# Altium PCB Arduino_pcb_PCB.PcbDoc (part 2 of 2)
Units mm, origin at the board's own origin, x right, y up, seen from the top; angles counter-clockwise.
Board outline 68.58 x 53.34 mm, 2 copper layers (L1, L2), stack 1.671 mm thick; 106 components, 71 nets, 323 pads, 77 vias.
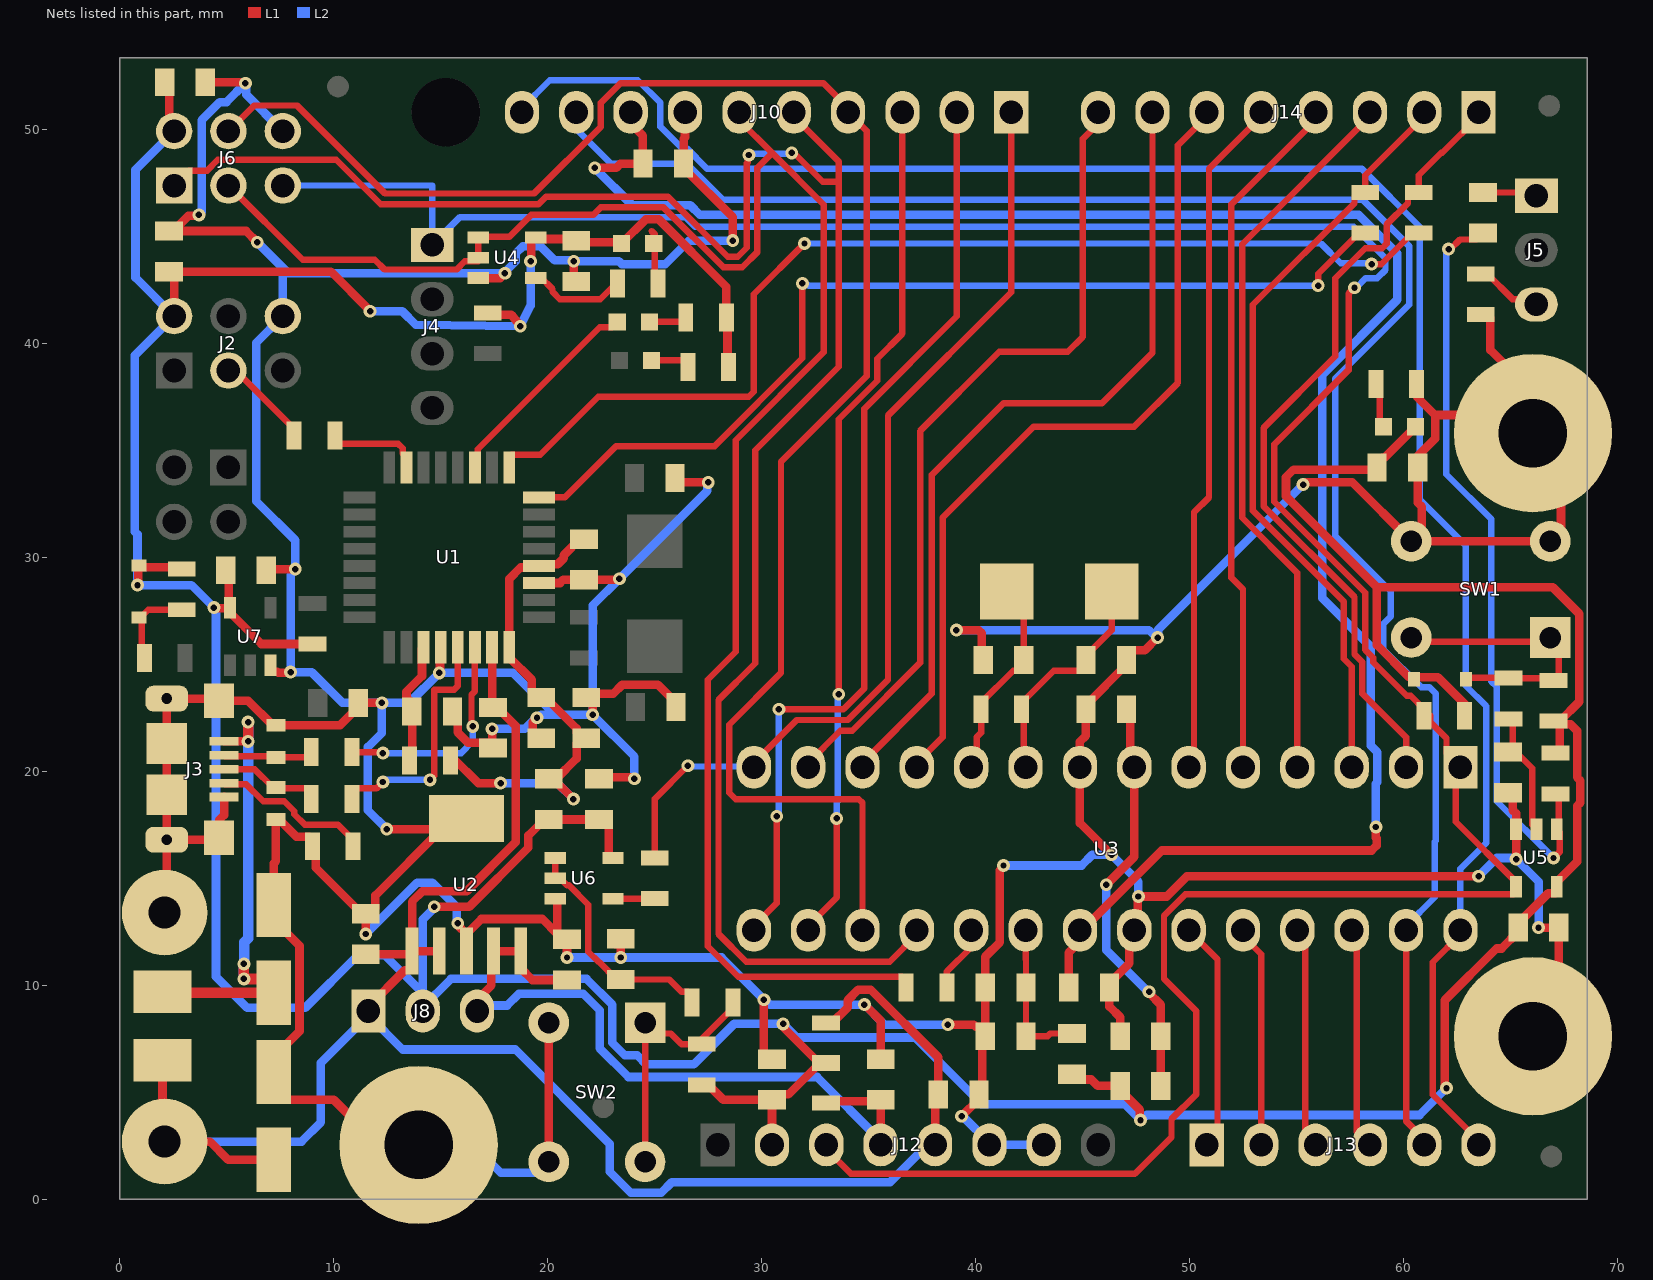
[diagram p2: the nets of this part, all layers, seen from the top]

## Via types
v1: diameter 0.6, hole 0.3, L1 to L2, tented both sides, 77 vias

## Nets (pads, with @x,y where several pads share a name; then routed paths per layer and width w, separated by ;. In a path a pad name is that pad's centre, name@x,y a point inside that pad or via, vN(x,y) a via of type N, cw(c..) or ccw(c..) an arc to the next point about the centre after c; other vN are vias at no path point) (continued)
16U2_RXD: R12.1 U1.8 | length 46.2
  L1 w0.3: U1.8@19.6,32.8 20.8,32.8 23.2,35.2 27.8,35.2 31.9,39.3 v1(31.9,42.8) ; v1(56,42.7) 56,43.25 57.9,45.15 R12.1@58.2,45.15
  L2 w0.3: v1(31.9,42.8) 31.957,42.743 32.157,42.743 32.2,42.7 v1(56,42.7)
16U2_SCLK: J2.3 R6.2 | length 4.5
  L1 w0.3: J2.3@5.08,38.73 5.42,38.73 8.15,36 R6.2@8.15,35.7
16U2_SCLK_R: R6.1 U1.15 | length 4.5
  L1 w0.3: R6.1@10.05,35.7 10.05,35.5 10.25,35.3 13.02,35.3 13.225,35.095 13.225,34.85 13.4,34.675 U1.15@13.4,34.2
16U2_TX_LED: D1.1 U1.11 | length 9.9
  L1 w0.3: U1.11@16.6,34.2 16.725,34.325 16.725,35.045 22.43,40.75 23,40.75 D1.1@23.25,41
16U2_TXD: R11.1 U1.9 | length 50.8
  L1 w0.3: U1.9@18.2,34.2 18.2,34.675 18.325,34.8 19.657,34.8 22.357,37.5 29.393,37.5 29.63,37.737 29.63,42.296 v1(32,44.666) ; v1(58.5,43.7) 58.952,43.7 59.7,44.448 59.7,44.45 60.4,45.15 R11.1@60.7,45.15
  L2 w0.3: v1(32,44.666) 56.134,44.666 57.06,43.74 58.46,43.74 v1(58.5,43.7)
328P_16MHZ_XTAL1: C25.2 R18.2 U3.9 Y2.2 | length 10.7
  L1 w0.3: U3.9@42.33,20.193 42.24,20.283 42.24,22.81 R18.2@42.15,22.9 42.15,23.2 43.65,24.7 44.85,24.7 45.15,25 C25.2@45.15,25.2 45.15,25.4 46.35,26.6 Y2.2@46.35,28.4
328P_16MHZ_XTAL2: C26.2 R18.1 U3.10 Y2.1 | length 9.7
  L1 w0.3: U3.10@39.79,20.193 40.039,20.442 40.039,21.589 40.25,21.8 R18.1@40.25,22.9 40.25,23.2 41.75,24.7 41.95,24.7 42.25,25 C26.2@42.25,25.2 42.25,27.6 Y2.1@41.45,28.4
328P_Auto_RESETn: C11.1 R21.1 U5.1 | length 36
  L1 w0.3: v1(62.1,44.4) 62.181,44.4 62.631,44.85 63.4,44.85 C11.1@63.7,45.15 ; v1(67,15.95) 67.3,16.25 U5.1@67.3,17.15 ; R21.1@67.05,19.05 67.05,18.8 R21.1@67.15,18.9 ; U5.1@67.15,17.3 67.25,17.3 67.25,18.8 R21.1@67.15,18.9 ; R21.1@67.2,18.95 R21.1@67.1,18.95 R21.1@67.15,18.9
  L2 w0.3: v1(62.1,44.4) 61.99,44.29 61.99,33.882 64.1,31.772 64.1,24.2 64.35,23.95 64.35,18.6 v1@66.95,16
328P_BUFF_RESETn: C31.2 R26.2 U5.2 | length 5.7
  L1 w0.3: R26.2@65.1,22.45 65.1,20.85 65.3,20.85 66,20.15 66,17.5 U5.2@66.2,17.3
328P_RESETn: J4.1 J6.5 J12.3 R17.1 U3.1 U5.4 | length 138.6
  L1 w0.3: J12.3@33.02,2.54 33.02,2.34 34.17,1.19 47.44,1.19 49.15,2.9 49.15,3.75 50.3,4.9 50.3,8.8 48.8,10.3 48.8,13.249 49.151,13.6 49.801,14.25 65.125,14.25 65.25,14.375 65.25,14.825 62.435,17.64 U3.1@62.435,20.408 ; v1(57.7,42.6) 57.424,42.324 57.424,38.75 53.95,35.276 53.95,32.599 58.2,28.349 58.2,25.672 58.57,25.302 58.57,25.094 60.139,23.524 60.326,23.524 60.95,22.9 R17.1@60.95,22.6 ; R17.1@61.25,22.6 61.25,22.3 62,21.55 62,20.843 U3.1@62.435,20.408 ; U3.1@62.65,20.193 U3.1@62.435,20.408
  L2 w0.3: J6.5@7.62,47.374 14.6,47.374 J4.1@14.6,44.6 15.9,45.9 26.432,45.9 26.882,45.45 57.669,45.45 59.15,43.969 59.15,43.431 58.769,43.05 58.231,43.05 57.781,42.6 v1(57.7,42.6)
+3.3V_16U2_UCAP: C7.2 R4.1 U1.27 | length 5.4
  L1 w0.4: R4.1@13.7,20.9 13.675,20.925 13.675,23.175 13.4,23.45 13.4,23.725 14.125,24.45 14.125,25.725 U1.27@14.2,25.8
+3V3: C13.2 C17.2 J8.3 J12.4 R15.2 U2.4 U2.5 | length 35.5
  L1 w0.4: J8.3@16.7,8.8 16.7,9.325 17.37,9.995 17.37,11.5 U2.4@17.47,11.6 U2.5@18.74,11.6 18.74,10.8 19.29,10.25 C13.2@20.9,10.25 ; R15.2@33,4.5 33.075,4.575 C17.2@35.485,4.575 ; J12.4@35.56,2.54 35.56,4.5 C17.2@35.485,4.575 ; C17.2@35.56,4.65 C17.2@35.485,4.575
  L2 w0.4: J8.3@16.7,8.8 16.958,9.058 18.1,9.058 18.642,9.6 21.666,9.6 22.426,8.84 22.426,7.06 23.77,5.716 32.584,5.716 35.56,2.74 J12.4@35.56,2.54
+5/3.3V_16U2: C1.2 C2.2 C3.2 FB1.2 R4.2 U1.4 U1.32 | length 24.4
  L1 w0.4: R4.2@15.6,20.9 15.6,20.6 16.75,19.45 v1(17.8,19.45) ; FB1.2@20.05,19.65 20.4,19.65 21.35,20.6 21.35,21.3 C2.2@21.6,21.55 ; FB1.2@20.25,19.65 v1(21.2,18.7) ; C3.2@21.7,30.85 21.5,30.85 20.75,30.1 20.75,29.959 20.466,29.675 19.675,29.675 U1.4@19.6,29.6 19.525,29.525 18.734,29.525 18.2,28.991 U1.32@18.2,25.8 18.2,25.325 19.25,24.275 19.25,23.7 19.5,23.45 C1.2@19.7,23.45 19.9,23.45 21.35,22 21.35,21.8 C2.2@21.6,21.55 ; C2.2@21.8,21.55 C2.2@21.6,21.55
  L2 w0.4: v1(17.8,19.45) 20.45,19.45 v1(21.2,18.7)
+5/3.3V_328P: C19.2 C20.2 FB2.2 U3.7 | length 19.4
  L1 w0.4: v1(46.1,14.7) 47.41,16.01 U3.7@47.41,20.193 47.23,20.373 47.23,22.72 C20.2@47.05,22.9 ; v1(48.1,9.7) 48.1,9.646 48.65,9.096 C19.2@48.65,7.62 FB2.2@48.65,5.3
  L2 w0.4: v1(46.1,14.7) 46.1,11.65 48.05,9.7 v1(48.1,9.7)
+5V: C5.1 C6.2 C12.2 C15.2 J8.1 J9.1 J12.5 L1.2 R14.1 U1.31 U2.1 U2.2 | length 92
  L1 w0.4: L1.2@2,6.5 2,4.647 2.1,4.547 J9.1@2.1,2.7 4.216,2.7 5.066,1.85 C5.1@7.2,1.85 ; C12.2@11.5,11.45 13.56,11.45 U2.1@13.66,11.55 ; J8.1@11.62,8.8 11.62,9 13.32,10.7 13.56,10.7 13.66,10.8 U2.1@13.66,11.55 ; U2.2@14.93,11.6 U2.1@13.66,11.6 ; U1.31@17.4,25.8 17.4,23.028 C6.2@17.44,22.988 17.64,22.988 18.5,22.128 18.5,16.684 16.216,14.4 14.15,14.4 13.66,13.91 U2.1@13.66,11.6 ; R14.1@33,8.25 33.3,8.25 34.016,8.966 34.016,9.306 34.51,9.8 35.09,9.8 38.25,6.64 C15.2@38.25,4.9 38.1,4.75 J12.5@38.1,2.54 ; U2.1@13.66,11.55 U2.1@13.66,11.6
  L2 w0.4: J9.1@2.1,2.7 8.5,2.7 9.4,3.6 9.4,6.38 J8.1@11.62,8.6 ; J8.1@11.62,8.8 J8.1@11.62,8.6 ; J12.5@38.1,2.54 38.1,2.9 36,0.8 25.8,0.8 25.3,0.3 23.891,0.3 22.891,1.3 22.891,2.6 18.491,7 13.22,7 J8.1@11.62,8.6
+5V/3V3: C8.2 C14.2 C16.2 C18.2 C27.2 C28.2 C29.2 C30.2 D3.2 D4.2 D5.1 D6.1 FB1.1 FB2.1 FB3.1 J2.2 J6.2 J8.2 J12.2 R1.2 R2.2 R3.2 R5.1 R14.2 R15.1 R17.2 R21.2 R22.2 R23.2 R24.2 U4.5 U5.5 U6.5 U7.5 | length 257.3
  L1 w0.4: v1(0.83,28.7) 0.865,28.735 0.865,29.584 D6.1@0.9,29.619 0.979,29.54 2.81,29.54 R24.2@2.9,29.45 ; C14.2@2.1,52.2 2.32,51.98 2.32,50.134 J6.2@2.54,49.914 ; J2.2@2.54,41.27 2.54,43.11 C8.2@2.3,43.35 9.87,43.35 11.7,41.52 v1(11.7,41.5) ; v1(4.4,27.65) 4.438,27.612 5.112,27.612 U7.5@5.15,27.65 ; C30.2@5.05,29.1 5.1,29.05 5.1,27.7 U7.5@5.15,27.65 ; R5.1@9.004,25.95 6.625,25.95 5.15,27.425 U7.5@5.15,27.65 ; v1(14.7,13.67) 16.334,13.67 19.1,16.436 19.1,17 19.85,17.75 FB1.1@20.05,17.75 20.05,17.7 20.1,17.75 C29.2@22.4,17.75 22.6,17.75 22.85,17.5 22.85,16.025 22.925,15.95 U6.5@23.05,15.95 ; R1.2@17.2,41.42 17.282,41.338 18.3,41.338 v1(18.72,40.8) ; v1(19.2,43.838) 19.238,43.876 19.238,44.875 19.313,44.95 U4.5@19.45,44.95 19.525,44.875 21.249,44.875 C27.2@21.336,44.788 21.397,44.727 23.391,44.727 D3.2@23.452,44.666 24.586,45.8 25.184,45.8 28.35,42.634 R2.2@28.35,41.2 28.4,41.15 28.4,38.95 R3.2@28.45,38.9 ; R23.2@27.2,5.35 27.5,5.35 28.2,4.65 C16.2@30.48,4.65 ; J12.2@30.48,2.54 C16.2@30.48,4.65 ; v1(31,8.2) 31.038,8.162 31.038,8.012 R14.2@32.7,6.35 ; R14.2@33,6.35 R14.2@32.7,6.35 ; FB3.1@44.5,5.85 44.75,5.6 45.4,5.6 45.7,5.3 FB2.1@46.75,5.3 46.75,5.1 47.662,4.188 47.662,3.738 v1(47.7,3.7) ; D4.2@60.55,36.1 59.1,34.65 59,34.65 58.75,34.4 C18.2@58.75,34.2 58.65,34.1 54.851,34.1 54.5,33.749 54.5,32.85 58.75,28.6 ; v1(62,5.2) 61.922,5.278 61.922,9.301 64.342,11.72 64.57,11.72 65.35,12.5 C28.2@65.35,12.7 65.35,12.9 66.75,14.3 67.075,14.3 67.15,14.375 U5.5@67.15,14.6 67.15,14.825 68.1,15.775 68.1,18.384 68.25,18.534 68.25,19.566 68.1,19.716 68.1,21.9 67.8,22.2 R22.2@67.3,22.2 ; R17.2@62.85,22.7 62.85,23.15 61.6,24.4 60.25,24.4 58.75,25.9 58.75,28.6 ; R22.2@67,22.35 R22.2@67.3,22.35 ; R21.2@67.3,20.95 R22.2@67.3,22.2 ; C16.2@30.48,4.65 30.73,4.9 31.25,4.9 R14.2@32.7,6.35 ; 58.75,28.6 66.966,28.6 68.2,27.366 68.2,23.25 R22.2@67.3,22.35 ; R22.2@67.3,22.2 R22.2@67.3,22.35
  L2 w0.4: J6.2@2.54,49.914 0.737,48.111 0.737,43.073 J2.2@2.54,41.27 0.7,39.43 0.7,31.2 0.83,31.07 v1(0.83,28.7) 3.35,28.7 v1(4.4,27.65) 4.4,27.596 4.5,27.496 4.5,10.4 5.95,8.95 8.668,8.95 11.118,11.4 12.4,11.4 J8.2@14.16,9.64 ; v1(11.7,41.5) 13.206,41.5 13.846,40.86 v1(18.72,40.8) 19.2,41.76 v1(19.2,43.838) ; J8.2@14.16,8.8 J8.2@14.16,8.986 ; v1(14.7,13.67) 14.7,13.616 14.16,13.076 J8.2@14.16,9.64 ; v1(62,5.2) 60.74,3.94 47.994,3.94 47.754,3.7 v1(47.7,3.7) 46.95,4.45 40.27,4.45 37.158,7.562 31.638,7.562 v1(31,8.2) 28.715,8.2 26.831,6.316 24.6,6.316 24.191,6.725 23.609,6.725 23.026,7.309 23.026,9.088 21.814,10.3 15.474,10.3 J8.2@14.16,8.986 ; J8.2@14.16,8.986 J8.2@14.16,9.64
+5V_USB: C4.1 J3.1 L1.1 | length 21.8
  L1 w0.4: L1.1@2,9.7 L1.1@2.05,9.65 ; J3.1@4.875,21.4 v1(6,21.4)
  L1 w0.5: L1.1@2.05,9.65 C4.1@7.2,9.65 7.2,9.75 6.65,10.3 v1(5.8,10.3) v1(5.8,11) ; v1(6,21.4) v1(6,22.3)
  L2 w0.5: v1(5.8,10.3) v1(5.8,11) 5.819,11.019 5.819,12.019 6,12.2 v1(6,21.4) v1(6,22.3)
+AREF: C21.2 C24.2 J10.8 U3.21 | length 92.8
  L1 w0.4: v1(22.2,48.2) 23.2,48.2 23.4,48.4 C21.2@24.45,48.4 24.45,49.701 23.876,50.275 J10.8@23.876,50.8 ; C24.2@44.35,9.9 44.35,11.528 44.87,12.048 U3.21@44.87,12.573 44.87,12.621 45.011,12.621 48.69,16.3 58.5,16.3 58.734,16.534 58.734,16.866 58.7,16.9 v1(58.7,17.4)
  L2 w0.4: v1(22.2,48.2) 23.95,46.45 26.66,46.45 27.11,46 57.897,46 59.7,44.197 59.7,42.036 56.2,38.536 56.2,28.084 58.46,25.824 58.46,21.2 58.77,20.89 58.77,19.496 58.7,19.426 v1(58.7,17.4)
AD0: J13.1 U3.23 | length 10.8
  L1 w0.3: U3.23@49.95,12.573 51.3,11.223 51.3,3.04 J13.1@50.8,2.54
AD1: J13.2 U3.24 | length 10.4
  L1 w0.3: U3.24@52.49,12.573 52.49,12.305 53.34,11.455 J13.2@53.34,2.54
AD2: J13.3 U3.25 | length 10.4
  L1 w0.3: U3.25@55.03,12.573 55.4,12.203 55.4,3.288 55.88,2.808 J13.3@55.88,2.54
AD3: J13.4 U3.26 | length 10.4
  L1 w0.3: U3.26@57.57,12.573 57.57,12.305 57.8,12.075 57.8,3.16 J13.4@58.42,2.54
AD4/SDA: J10.9 J13.5 U3.27 | length 89
  L1 w0.3: U3.27@60.11,12.573 60.11,3.658 60.96,2.808 J13.5@60.96,2.54
  L2 w0.3: J10.9@21.336,50.8 21.136,50.6 21.136,50.21 22.946,48.4 26.5,48.4 28.2,46.7 58.1,46.7 60.25,44.55 60.25,41.808 56.8,38.358 56.8,31.01 59.4,28.41 59.4,27.236 59.05,26.886 59.05,25.712 60.824,23.938 61.2,23.938 61.5,23.638 61.5,16.748 61.452,16.7 61.452,14.115 60.11,12.773 U3.27@60.11,12.573
AD5/SCI: J10.10 J13.6 U3.28 | length 92.3
  L1 w0.3: U3.28@62.65,12.573 62.65,12.373 61.35,11.073 61.35,4.89 63.5,2.74 J13.6@63.5,2.54
  L2 w0.3: J10.10@18.796,50.8 18.796,51 20.096,52.3 24.202,52.3 25.266,51.236 25.266,50.124 26.265,49.125 26.482,49.125 27.457,48.15 58.05,48.15 60.75,45.45 60.75,32.7 62.9,30.55 62.9,24 63.85,23.05 63.85,16.65 62.65,15.45 U3.28@62.65,12.573
BUTTON_RESETn: D5.2 R22.1 R26.1 SW1.1 SW1.2 | length 12.9
  L1 w0.3: SW1.2@60.85,26.05 67.15,26.05 SW1.1@67.25,25.95 ; D5.2@62.919,24.4 62.944,24.375 64.875,24.375 R26.1@64.9,24.35 67.25,24.35 SW1.1@67.25,25.95 ; SW1.1@67.15,26.26 67.25,26.16 SW1.1@67.25,25.95 ; SW1.1@67.35,26.05 SW1.1@67.25,25.95
CON_USB_N: J3.2 R7.1 Z1.1 | length 4.2
  L1 w0.3: J3.2@4.875,20.75 4.925,20.7 7.25,20.7 Z1.1@7.3,20.65 8.75,20.65 8.95,20.85 R7.1@8.95,20.9
CON_USB_P: J3.3 R8.1 Z2.1 | length 4.8
  L1 w0.3: J3.3@4.875,20.1 6.3,20.1 7.15,19.25 Z2.1@7.3,19.25 7.35,19.2 8.75,19.2 8.95,19 R8.1@8.95,18.7
GND: C1.1 C2.1 C3.1 C4.2 C5.2 C6.1 C7.1 C8.1 C9.1 C10.1 C12.1 C13.1 C14.1 C15.1 C16.1 C17.1 C18.1 C19.1 C20.1 C21.1 C22.1 C23.1 C24.1 C25.1 C26.1 C27.1 C28.1 C29.1 C30.1 C31.1 C32.1 C33.1 J2.6 J3.5 J3.6 J3.7 J3.8 J3.9 J3.10 J3.11 J6.6 J10.7 J11.1 J12.6 J12.7 MH1.1 MH2.1 MH3.1 R9.2 R13.1 R20.1 SW1.3 SW1.4 SW2.3 SW2.4 U1.3 U1.28 U2.3 U2.6 U3.8 U3.22 U4.3 U5.3 U6.3 U7.3 Z1.2 Z2.2 | length 394.2
  L1 w0.4: J11.1@2.1,13.4 2.1,15.037 2.199,15.136 J3.9@2.199,16.8 ; C8.1@2.3,45.25 C8.1@2.5,45.25 ; v1(3.7,46) 3.662,45.962 3.212,45.962 C8.1@2.5,45.25 ; C14.1@4,52.2 5.82,52.2 v1(5.87,52.15) ; J3.5@4.875,18.8 4.875,17.954 4.65,17.729 J3.7@4.65,16.9 4.55,16.8 J3.9@2.199,16.8 ; v1(6.425,44.727) 5.902,45.25 C8.1@2.5,45.25 ; C30.1@6.95,29.1 6.95,29.2 7.2,29.45 v1(8.2,29.45) ; U7.3@7.05,24.95 7.05,24.725 7.125,24.65 7.35,24.65 7.401,24.599 7.949,24.599 v1(7.984,24.634) ; v1(11.5,12.4) C12.1@11.5,13.35 ; v1(12.25,23.2) C33.1@11.15,23.2 11.15,23 10.3,22.15 Z1.2@7.3,22.15 7.15,22.15 6,23.3 J3.6@4.65,23.3 4.549,23.4 J3.8@2.199,23.4 J3.10@2.199,21.3 J3.11@2.199,18.9 J3.9@2.199,16.8 ; v1(12.475,17.3) U2.6@15.05,17.3 ; MH2.1@13.97,2.54 12.109,2.54 9.999,4.65 7.8,4.65 7.2,5.25 C5.2@7.2,5.95 7.2,6.65 8.4,7.85 8.4,11.85 7.2,13.05 C4.2@7.2,13.75 7.2,15.697 7.3,15.797 Z2.2@7.3,17.75 7.45,17.75 8.25,16.95 8.85,16.95 9,16.8 R9.2@9,16.5 9.15,16.35 9.15,15.5 11.3,13.35 C12.1@11.5,13.35 ; v1(14.93,24.599) 14.965,24.634 14.965,25.765 U1.28@15,25.8 ; C7.1@15.55,23.2 15.793,22.956 15.793,21.817 16.272,21.338 17.19,21.338 C6.1@17.4,21.128 ; v1(15.793,12.9) 15.793,12.807 16.2,12.4 16.9,13.1 19.75,13.1 C13.1@20.45,12.4 ; U2.6@16.2,17.8 15.55,17.8 U2.6@15.05,17.3 ; U4.3@16.75,43.05 17.775,43.05 v1(18,43.275) ; v1(17.4,21.984) C6.1@17.4,21.128 ; C6.1@17.44,21.088 C6.1@17.4,21.128 ; v1(19.5,22.5) 19.3,22.3 19.3,21.8 19.55,21.55 C1.1@19.7,21.55 ; U1.3@19.6,28.8 20.574,28.8 20.724,28.95 C3.1@21.7,28.95 23.3,28.95 v1(23.35,29) ; SW2.4@20.05,1.75 SW2.3@20.05,8.25 ; U6.3@20.35,14.05 20.375,14.05 20.45,13.975 C13.1@20.45,12.4 ; v1(20.9,11.3) C13.1@20.9,12.15 20.7,12.15 C13.1@20.45,12.4 ; v1(21.219,43.838) 21.219,43.005 C27.1@21.336,42.888 ; v1(22.098,22.641) 22.098,23.2 21.848,23.45 C2.1@21.8,23.45 21.966,23.616 23.05,23.616 23.484,24.05 25.15,24.05 26,23.2 C9.1@26,23 ; C29.1@22.4,19.65 22.466,19.716 23.984,19.716 v1(24.05,19.65) ; v1(23.416,11.3) 23.416,11.921 23.166,11.921 C32.1@23.416,12.171 ; C10.1@25.95,33.7 26.15,33.5 v1(27.5,33.5) ; J10.7@26.416,50.8 26.416,49.621 26.35,49.555 C21.1@26.35,48.4 26.35,48.2 28.65,45.9 v1(28.65,44.8) ; v1(30.1,9.325) 30.1,6.8 30.35,6.55 C16.1@30.48,6.55 ; v1(34.8,9.1) 35.56,8.34 C17.1@35.56,6.55 ; v1(38.7,8.162) 39.908,8.162 40,8.07 40.2,8.07 C22.1@40.45,7.82 ; v1(39.1,26.6) 40.134,26.6 40.284,26.45 40.284,25.266 C26.1@40.35,25.2 ; v1(39.341,3.884) 40.15,4.693 C15.1@40.15,4.9 40.3,5.05 40.3,7.47 C22.1@40.45,7.62 C22.1@40.45,7.82 ; v1@41.13,15.376 41.13,12.016 40.45,11.336 C23.1@40.45,9.9 C22.1@40.45,7.82 ; v1(46.35,16.1) 44.87,17.58 U3.8@44.87,20.193 44.87,21.387 45.15,21.667 C20.1@45.15,22.9 45.15,23.089 47.05,24.989 C25.1@47.05,25.2 47.05,25.4 47.3,25.65 47.9,25.65 v1(48.5,26.25) ; C19.1@46.75,7.62 46.75,8.509 46.25,9.009 C24.1@46.25,9.9 46.25,10.1 47.18,11.03 47.18,12.343 U3.22@47.41,12.573 47.562,12.725 47.562,14.112 v1(47.6,14.15) 48.923,14.15 49.873,15.1 v1(63.5,15.1) ; v1(55.3,33.4) 55.4,33.5 57.6,33.5 SW1.4@60.35,30.75 SW1.3@66.85,30.75 ; R20.1@60.6,38.1 60.6,37.52 61.468,36.652 ; SW1.4@60.85,30.76 60.85,32.36 60.65,32.56 C18.1@60.65,34.2 60.65,34.722 61.468,35.54 61.468,36.652 ; R13.1@63.6,41.35 63.9,41.35 64.05,41.2 64.05,39.684 66.04,37.694 MH3.1@66.04,35.8 65.188,36.652 61.468,36.652 ; C31.1@65.1,18.95 65.1,18.184 65.25,18.034 U5.3@65.25,17.3 v1(65.25,15.9) ; MH3.1@66,35.8 66,33.837 67.35,32.487 SW1.3@67.35,30.76 ; MH1.1@66.04,7.62 66.04,9.55 67.25,10.76 C28.1@67.25,12.7 v1(66.3,12.7) ; C12.1@11.5,13.35 11.7,13.35 11.95,13.6 11.95,14.2 U2.6@15.05,17.3
  L2 w0.4: v1(3.7,46) 3.83,46.13 3.83,50.432 4.67,51.272 4.992,51.272 v1(5.87,52.15) 5.908,52.112 5.908,51.626 J6.6@7.62,49.914 ; v1(6.425,44.727) 7.62,43.532 ; v1(11.5,12.4) 13.9,14.8 14.6,14.8 15.755,13.645 15.755,12.938 v1(15.793,12.9) ; v1(12.475,17.3) 11.6,18.175 11.6,21.14 12.25,21.79 v1(12.25,23.2) ; MH2.1@13.97,2.54 16.51,2.54 17.8,1.25 SW2.4@20.35,1.25 ; v1(17.4,21.984) 18.93,21.984 19.446,22.5 v1(19.5,22.5) 19.554,22.5 19.695,22.641 20.341,22.641 ; v1(20.9,11.3) v1(23.416,11.3) 28.125,11.3 v1(30.1,9.325) 30.154,9.325 30.379,9.1 v1(34.8,9.1) 35.738,8.162 v1(38.7,8.162) ; v1(24.05,19.65) 24.05,20.689 v1(22.098,22.641) ; v1(27.5,33.5) 27.462,33.462 27.462,33.112 v1(23.35,29) 22.098,27.748 v1(22.098,22.641) ; v1(28.65,44.8) 26.6,44.8 25.5,43.7 23.456,43.7 23.318,43.838 v1(21.219,43.838) 21.181,43.876 20.327,43.876 19.665,44.538 18.838,44.538 18.5,44.2 18.5,43.829 18,43.329 v1(18,43.275) 7.877,43.275 7.62,43.532 ; v1(39.1,26.6) 48.096,26.6 48.446,26.25 v1(48.5,26.25) 48.538,26.288 48.538,26.638 v1(55.3,33.4) ; v1(39.341,3.884) 39.395,3.884 40.64,2.639 J12.6@40.64,2.54 J12.7@43.18,2.54 ; v1(41.3,15.6) 44.95,15.6 45.45,16.1 v1(46.35,16.1) 47.6,14.85 v1(47.6,14.15) ; v1(63.5,15.1) 64.35,15.95 65.2,15.95 v1(65.25,15.9) 66.3,14.85 v1(66.3,12.7) ; 7.62,43.532 J2.6@7.62,41.27 6.37,40.02 6.37,32.63 8.2,30.8 v1(8.2,29.45) 8.2,29.401 7.984,29.185 v1(7.984,24.634) 8.976,24.634 10.41,23.2 v1(12.25,23.2) ; v1(12.25,23.2) 13.531,23.2 v1(14.93,24.599) 18.383,24.599 20.341,22.641 ; 20.341,22.641 v1(22.098,22.641)
IO1: J14.1 R11.2 U3.2 | length 38.2
  L1 w0.3: U3.2@60.11,20.193 60.11,21.59 58.07,23.63 58.07,25.095 57.7,25.465 57.7,28.142 53.45,32.392 53.45,36.042 56.8,39.392 56.8,43.043 58.207,44.45 58.995,44.45 59.2,44.655 59.2,45.55 60.2,46.55 60.2,46.85 60.4,47.05 R11.2@60.7,47.05 60.7,47.85 61.75,48.9 61.8,48.9 63.5,50.6 J14.1@63.5,50.8
IO2: J14.2 R12.2 U3.3 | length 36
  L1 w0.3: U3.3@57.57,20.193 57.57,24.888 57.2,25.258 57.2,27.935 52.95,32.185 52.95,41.8 57.7,46.55 57.7,46.85 57.9,47.05 R12.2@58.2,47.05 58.2,47.85 60.96,50.61 J14.2@60.96,50.8
IO3: J14.3 U3.4 | length 34.1
  L1 w0.3: U3.4@55.03,20.193 55.03,29.27 52.45,31.85 52.45,44.63 58.42,50.6 J14.3@58.42,50.8
IO4: J14.4 U3.5 | length 32.5
  L1 w0.3: U3.5@52.49,20.193 52.49,28.51 51.95,29.05 51.95,46.5 55.88,50.43 J14.4@55.88,50.8
IO5: J14.5 U3.6 | length 32
  L1 w0.3: U3.6@49.95,20.193 50.2,20.443 50.2,32.1 50.9,32.8 50.9,48.16 53.34,50.6 J14.5@53.34,50.8
IO6: J14.6 U3.11 | length 39
  L1 w0.3: U3.11@37.25,20.193 37.25,20.393 38.45,21.593 38.45,31.85 42.7,36.1 47.4,36.1 49.45,38.15 49.45,49.25 50.8,50.6 J14.6@50.8,50.8
IO7: J14.7 U3.12 | length 38.9
  L1 w0.3: U3.12@34.71,20.193 34.71,20.393 37.95,23.633 37.95,33.85 41.3,37.2 45.9,37.2 48.26,39.56 J14.7@48.26,50.8
IO8: J14.8 U3.13 | length 38.4
  L1 w0.3: U3.13@32.17,20.193 32.17,20.393 33.677,21.9 34.233,21.9 37.4,25.067 37.4,35.9 41.1,39.6 44.3,39.6 45,40.3 45,49.552 45.72,50.272 J14.8@45.72,50.8
IO9: J10.1 R25.2 U3.14 | length 45
  L1 w0.3: R25.2@25,15.95 25,18.71 v1(26.55,20.26) ; U3.14@29.63,20.193 29.63,20.393 31.637,22.4 34.026,22.4 35.9,24.274 35.9,36.624 41.656,42.38 J10.1@41.656,50.8
  L2 w0.3: v1(26.55,20.26) 26.583,20.226 29.597,20.226 U3.14@29.63,20.193
IO10: J10.2 U3.15 | length 43.9
  L1 w0.3: U3.15@29.63,12.573 29.63,12.773 30.7,13.843 v1(30.7,17.9) ; v1(30.8,22.9) 33.819,22.9 34.8,23.881 34.8,36.946 39.116,41.262 J10.2@39.116,50.8
  L2 w0.3: v1(30.7,17.9) 30.8,18 v1(30.8,22.9)
MISO: J6.1 J10.5 U3.18 | length 90.9
  L1 w0.3: J6.1@2.54,47.374 3.24,48.074 4.083,48.074 4.583,48.574 10.119,48.574 12.193,46.5 15.92,46.5 19.569,46.5 19.919,46.85 25.619,46.85 28.419,44.05 28.878,44.05 29.3,44.472 29.3,48.407 29.343,48.45 29.343,48.743 v1(29.4,48.8) ; v1(31.4,48.9) 31.5,48.9 32.85,47.55 33.55,47.55 33.6,47.6 ; J10.5@31.496,50.8 31.496,50.6 33.6,48.496 33.6,47.6 ; U3.18@37.25,12.573 37.25,12.373 35.977,11.1 29.277,11.1 27.98,12.397 27.98,23.33 29.7,25.05 29.7,35 33.6,38.9 33.6,47.6
  L2 w0.3: v1(29.4,48.8) 29.45,48.85 31.35,48.85 v1(31.4,48.9)
MOSI: J6.4 J10.4 U3.17 | length 81.8
  L1 w0.3: J6.4@5.08,49.914 6.28,51.114 8.286,51.114 12.4,47 19.362,47 22.486,50.124 22.486,51.236 23.4,52.15 32.886,52.15 34.036,51 J10.4@34.036,50.8 34.9,49.936 34.9,38.46 30.9,34.46 30.9,24.6 28.48,22.18 28.48,19.003 28.783,18.7 34.534,18.7 34.71,18.524 U3.17@34.71,12.573
NetC11_2: C11.2 J5.1 | length 2.6
  L1 w0.3: C11.2@63.7,47.05 66.05,47.05 J5.1@66.2,46.9
NetC22_2: C22.2 C23.2 FB3.2 U3.20 | length 7.2
  L1 w0.3: U3.20@42.33,12.573 42.33,11.221 42.35,11.201 C23.2@42.35,9.9 C22.2@42.35,7.62 43.358,7.62 43.488,7.75 FB3.2@44.5,7.75
NetD1_2: D1.2 R2.1 | length 1.8
  L1 w0.3: D1.2@24.75,41 26.25,41 R2.1@26.45,41.2
NetD2_2: D2.2 R3.1 | length 1.9
  L1 w0.3: D2.2@24.85,39.2 26.35,39.2 26.55,39 R3.1@26.55,38.9
NetD3_1: D3.1 R19.2 | length 2.2
  L1 w0.3: 24.85,45.25 25.011,45.089 25.011,43.341 R19.2@25.172,43.18
NetD4_1: D4.1 R20.2 | length 2.1
  L1 w0.3: R20.2@58.7,38.1 58.875,37.925 58.875,36.275 D4.1@59.05,36.1
NetD6_2: D6.2 R24.1 R28.1 | length 4.1
  L1 w0.3: R28.1@1.15,25.3 1.025,25.425 1.025,27.056 D6.2@0.9,27.181 0.964,27.181 1.333,27.55 R24.1@2.9,27.55
NetJ3_4: J3.4 R9.1 | length 7.5
  L1 w0.3: J3.4@4.875,19.45 4.925,19.4 5.905,19.4 6.705,18.6 7.695,18.6 8.161,18.134 8.161,17.994 8.655,17.5 10.2,17.5 10.9,16.8 R9.1@10.9,16.5
NetJ5_3: J5.3 R13.2 | length 3.2
  L1 w0.3: R13.2@63.6,43.25 63.9,43.25 65.081,42.069 65.951,42.069 J5.3@66.2,41.82
NetR19_1: R19.1 U4.4 | length 5
  L1 w0.3: U4.4@19.45,43.085 19.675,43.085 20.224,42.536 20.224,42.405 20.569,42.06 22.452,42.06 23.272,42.88 R19.1@23.272,43.18
NetR25_1: R25.1 U6.4 | length 2
  L1 w0.3: U6.4@23.05,14.05 R25.1@25,14.05
SCK: J6.3 J10.6 R16.2 U4.1 U4.2 | length 87.5
  L1 w0.3: J6.3@5.08,47.374 8.554,43.9 11.925,43.9 12.375,43.45 15.745,43.45 16.125,43.83 U4.2@16.75,43.83 ; U4.2@16.75,44 U4.1@16.75,44.95 ; U4.1@16.75,44.985 18.215,44.985 19.23,46 22.128,46 22.478,46.35 25.412,46.35 28.212,43.55 29.085,43.55 29.8,44.265 29.8,48.2 30.49,48.89 ; J10.6@28.956,50.8 28.956,50.425 30.49,48.89 ; R16.2@36.75,9.9 36.75,10.2 36.55,10.4 28.9,10.4 27.48,11.82 27.48,24.28 28.783,25.583 28.783,35.476 32.9,39.593 32.9,46.481 30.49,48.89
SCK_R: R16.1 U3.19 | length 3.1
  L1 w0.3: R16.1@38.65,9.9 38.65,10.643 39.79,11.783 U3.19@39.79,12.573
SS: J10.3 U3.16 | length 40.1
  L1 w0.3: U3.16@32.17,12.573 32.17,12.773 33.5,14.103 v1(33.5,17.8) ; v1(33.6,23.6) 33.6,36.453 35.4,38.253 35.4,39.286 36.576,40.462 J10.3@36.576,50.8
  L2 w0.3: v1(33.5,17.8) 33.5,18.55 33.56,18.61 33.56,23.56 v1(33.6,23.6)
USB_N: R7.2 U1.30 | length 10.4
  L1 w0.3: R7.2@10.85,20.9 12.25,20.9 v1(12.3,20.85) ; v1(16.5,22.1) 16.44,22.16 16.44,23.583 16.6,23.742 U1.30@16.6,25.8
  L2 w0.3: v1(12.3,20.85) 15.95,20.85 16.5,21.4 v1(16.5,22.1)
USB_P: R8.2 U1.29 | length 11.5
  L1 w0.3: R8.2@10.85,18.7 10.85,19 11.05,19.2 12,19.2 v1(12.3,19.5) ; v1(14.5,19.6) 14.7,19.8 14.7,23.813 15.624,23.813 15.8,23.989 U1.29@15.8,25.8
  L2 w0.3: v1(12.3,19.5) 12.4,19.6 v1(14.5,19.6)
USER_BUTTON: R23.1 R27.1 SW2.1 SW2.2 | length 11.6
  L1 w0.3: SW2.2@24.55,1.75 SW2.1@24.55,8.25 ; SW2.1@24.85,7.75 25.756,7.75 26.256,7.25 R23.1@27.2,7.25 27.2,7.493 28.65,8.943 R27.1@28.65,9.2
USER_BUTTON_BUFF: C32.2 R27.2 U6.1 U6.2 | length 11.2
  L1 w0.3: U6.1@20.35,15.95 U6.2@20.35,15 20.575,15 20.9,14.675 20.995,14.675 21.9,13.77 21.9,11.572 22.4,11.072 22.416,11.072 23.216,10.271 25.679,10.271 26.25,9.7 26.55,9.7 26.75,9.5 R27.2@26.75,9.2
pads on no net: FD1.1 FD2.1 FD3.1 FD4.1 J7.1 J12.1 J12.8 U1.5 U1.6 U1.7 U1.12 U1.14 U1.22 U1.23 U1.25 U1.26

## Polygon pours and split planes (outlines as drawn)
+5V/3V3 on L2 "L2-+5V/3V3" (solid, remove dead copper, pour order 36): 1,51.8 1,49.3 0.4,48.7 0.4,7.7 2.5,5.6 5.6,5.6 10.9,10.9 11.178,10.622 12.5,10.622 12.5,10.41 13.1,9.81 13.1,8.1 14.6,8.1 15.3,8.8 15.3,9.522 15.778,10 21.65,10 22.7,8.95 22.7,7.2 23.576,6.324 23.926,6.324 24.224,6.026 27.116,6.026 27.116,6.072 28.715,7.67 29.933,6.452 34.148,6.452 36.2,4.4 36.3,4.5 39.5,4.5 40.3,3.7 40.41,3.81 46.5,3.81 46.5,3.7 49.5,0.7 65.1,0.7 65,0.8 65,4.8 62.9,6.9 39.146,6.9 38.146,7.9 34.175,7.9 33.375,8.7 27.3,8.7 25.8,7.2 25.8,10.4 25.5,10.7 22.4,10.7 21.6,11.5 15.4,11.5 15.4,13.5 14.5,14.4 12.4,12.3 12.1,12.3 11.6,11.8 9.8,11.8
+5V on L2 "L2-+5V" (solid, remove dead copper, pour order 26): 0.5,4.6 0.5,0.4 0.6,0.3 39.3,0.3 39.341,0.341 39.341,2.959 38,4.3 37.9,4.2 36.7,4.2 36.7,1.97 36,1.27 35.67,1.6 24.562,1.6 18.6,7.562 18.568,7.53 13.345,7.53 12.475,8.4 12.475,10 11,10 10.3,10 4.9,4.6
+5V/3V3 on L2 "L2-+5V/3V3 1" (solid, remove dead copper, pour order 42): 3.2,51.832 8.968,51.832 10.2,50.6 10.2,11.373 8.2,11.373 8.2,16.168 2.3,22.068 2.3,45.306 1.156,46.45 1.8,47.094 1.8,51.184 2.184,51.184 2.5,51.5
GND on L2 "L2-GND" (solid, remove dead copper, pour order 50): 15.061,20.226 16.087,19.201 16.087,12.2 24.622,12.2 27.3,9.522 27.994,10.216 29.1,10.216 19.506,19.81 15.24,19.81
GND on L2 "L2-GND 1" (solid, remove dead copper, pour order 48): 10.5,52.7 10.5,12.439 10.639,12.3 13.739,15.4 23.216,15.4 30.616,8 64.7,8 67.9,11.2 66.8,12.3 66.8,51.6 11.5,51.6 10.3,52.8
GND on L2 "L2-GND 2" (solid, remove dead copper, pour order 46): 25.266,52.8 25.3,52.8 25.3,43.215 27.615,40.9 67.6,40.9 67.6,51.8 66.7,52.7 25.4,52.7
+5V/3V3 on L2 "L2-+5V/3V3 2" (solid, remove dead copper, pour order 44): 11.1,39.2 17.841,39.2 20.341,41.7 20.096,41.945 20.096,44.8 18.4,44.8 18.1,44.5 18.1,42.4 16.429,42.4 15.329,43.5 11.5,43.5 11.5,43 11.1,42.6
+5V/3V3 on L2 "L2-+5V/3V3 3" (solid, remove dead copper, pour order 40): -1.9,50.2
+5V/3V3 on L2 "L2-+5V/3V3 4" (solid, remove dead copper, pour order 38): 0.6,48.5 0.7,48.6 3.2,48.6 3.2,51.832 3.518,52.15 0.6,52.15
+5V/3V3 on L2 "L2-+5V/3V3 5" (solid, remove dead copper, pour order 34): 1,51.3 3.636,51.3 3.7,51.236 3.5,51.036 3.5,48.8 2.926,48.8 1.5,47.374 1.5,43.3 2.1,43.3 3.8,41.6 3.7,41.5 3.7,40.5 2,38.8 2,35.5
+5V_USB on L2 "L2-+5V_USB" (solid, remove dead copper, pour order 32): 5.95,9.65 5.1,10.5 5.137,10.537 5.137,24 6.9,24 6.9,9.95 6.6,9.65
+3V3 on L2 "L2-+3V3" (solid, remove dead copper, pour order 30): 15.5,7.7 15.58,7.62 19.07,7.62 23.39,3.3 26.6,3.3 27.11,3.81 33.59,3.81 34.5,2.9 34.5,2.356 35.056,1.8 35.156,1.9 36.1,1.9 36.4,2.2 36.4,4.2 35.7,4.2 33.7,6.2 27.4,6.2 27.226,6.026 23.874,6.026 22.7,7.2 22.7,8.95 21.75,9.9 18.27,9.9 17.97,9.6 17.93,9.64 15.84,9.64 15.5,9.3
GND on L1 "L1-GND" (solid, remove dead copper, pour order 66): 8.59,52.2 9.5,51.29 9.5,1.6 67.9,1.6 66.5,3 66.5,52.2
GND on L1 "L1-GND 1" (solid, remove dead copper, pour order 64): 5.4,53.34 16.75,41.99 16.75,1.27 17.27,1.27 67.075,51.075 67.075,1.4 15.76,1.4 14.86,0.5
+5V/3V3 on L1 "L1-+5V/3V3" (solid, remove dead copper, pour order 62): 27.1,39.479
+5V/3V3 on L1 "L1-+5V/3V3 1" (solid, remove dead copper, pour order 60): 0.5,53 0.65,52.85 0.65,25.4 31.75,25.4 32.6,26.25 31.8,27.05 31.8,52.15 1.55,52.15 0.5,53.2
+3V3 on L1 "L1-+3V3" (solid, remove dead copper, pour order 58): 16,7 15.3,7.7 15.3,11.283 18.12,14.103 19.45,12.773 19.45,11.3 21.15,11.3 22.225,10.225 22.225,9.161 18.048,9.161 15.987,7.1
GND on L1 "L1-GND 2" (solid, remove dead copper, pour order 56): 6.173,12.171 6.2,12.2 6.1,12.1 0.8,12.1 0.8,23.053 1.8,24.053
GND on L1 "L1-GND 3" (solid, remove dead copper, pour order 54): 0.9,24.284 1.116,24.5 11.85,24.5 19.4,16.95 19.4,3.35 21.65,1.1 9.9,1.1 5.5,5.5 5.5,14.9
+5V on L1 "L1-+5V" (solid, remove dead copper, pour order 52): 0.4,8.1 0.65,7.85 5.025,7.85 5.025,4.325 5.25,4.1 7.855,4.1 8.9,3.055 8.9,0.3 0.6,0.3 0.3,0.6

## Silkscreen, mask and mechanical layers (free items; w line width, h text height)
Top Overlay:
  text "Amin Zaky" at 38.4,42.5 h1.5
  text "https://github.com/Aminzaky" at 30.2,40.5 h1.2
Bottom Overlay:
  text "-" at 1.481,9.41 h1.2
  text "+" at 1.559,5.716 h1.2
Board_Outline (Mech28):
  lines w0.4: 0,-0.1 68.58,-0.1 68.58,53.34 0,53.34 0,-0.1

## Text inside footprints (layer, text, board x,y; h text height)
J1: Top Overlay "1" at 4.597,36.156 h1.2 r270
J2: Top Overlay "1" at 3.023,36.774 h1.2 r90
J4: Top Overlay "1" at 12.314,43.838 h1.2
J5: Top Overlay "1" at 67.6,46.2 h1.2
J6: Top Overlay "1" at 5.08,44.6 h1.2 r90
J8: Top Overlay "1" at 12.382,6.514 h1.2 r90
J10: Top Overlay "1" at 40.894,53.086 h1.2 r270
J12: Top Overlay "1" at 28.702,0.254 h1.2 r90
J13: Top Overlay "1" at 51.562,0.254 h1.2 r90
J14: Top Overlay "1" at 62.738,53.086 h1.2 r270